# KiCad board led_mapper_850.kicad_pcb (continued)
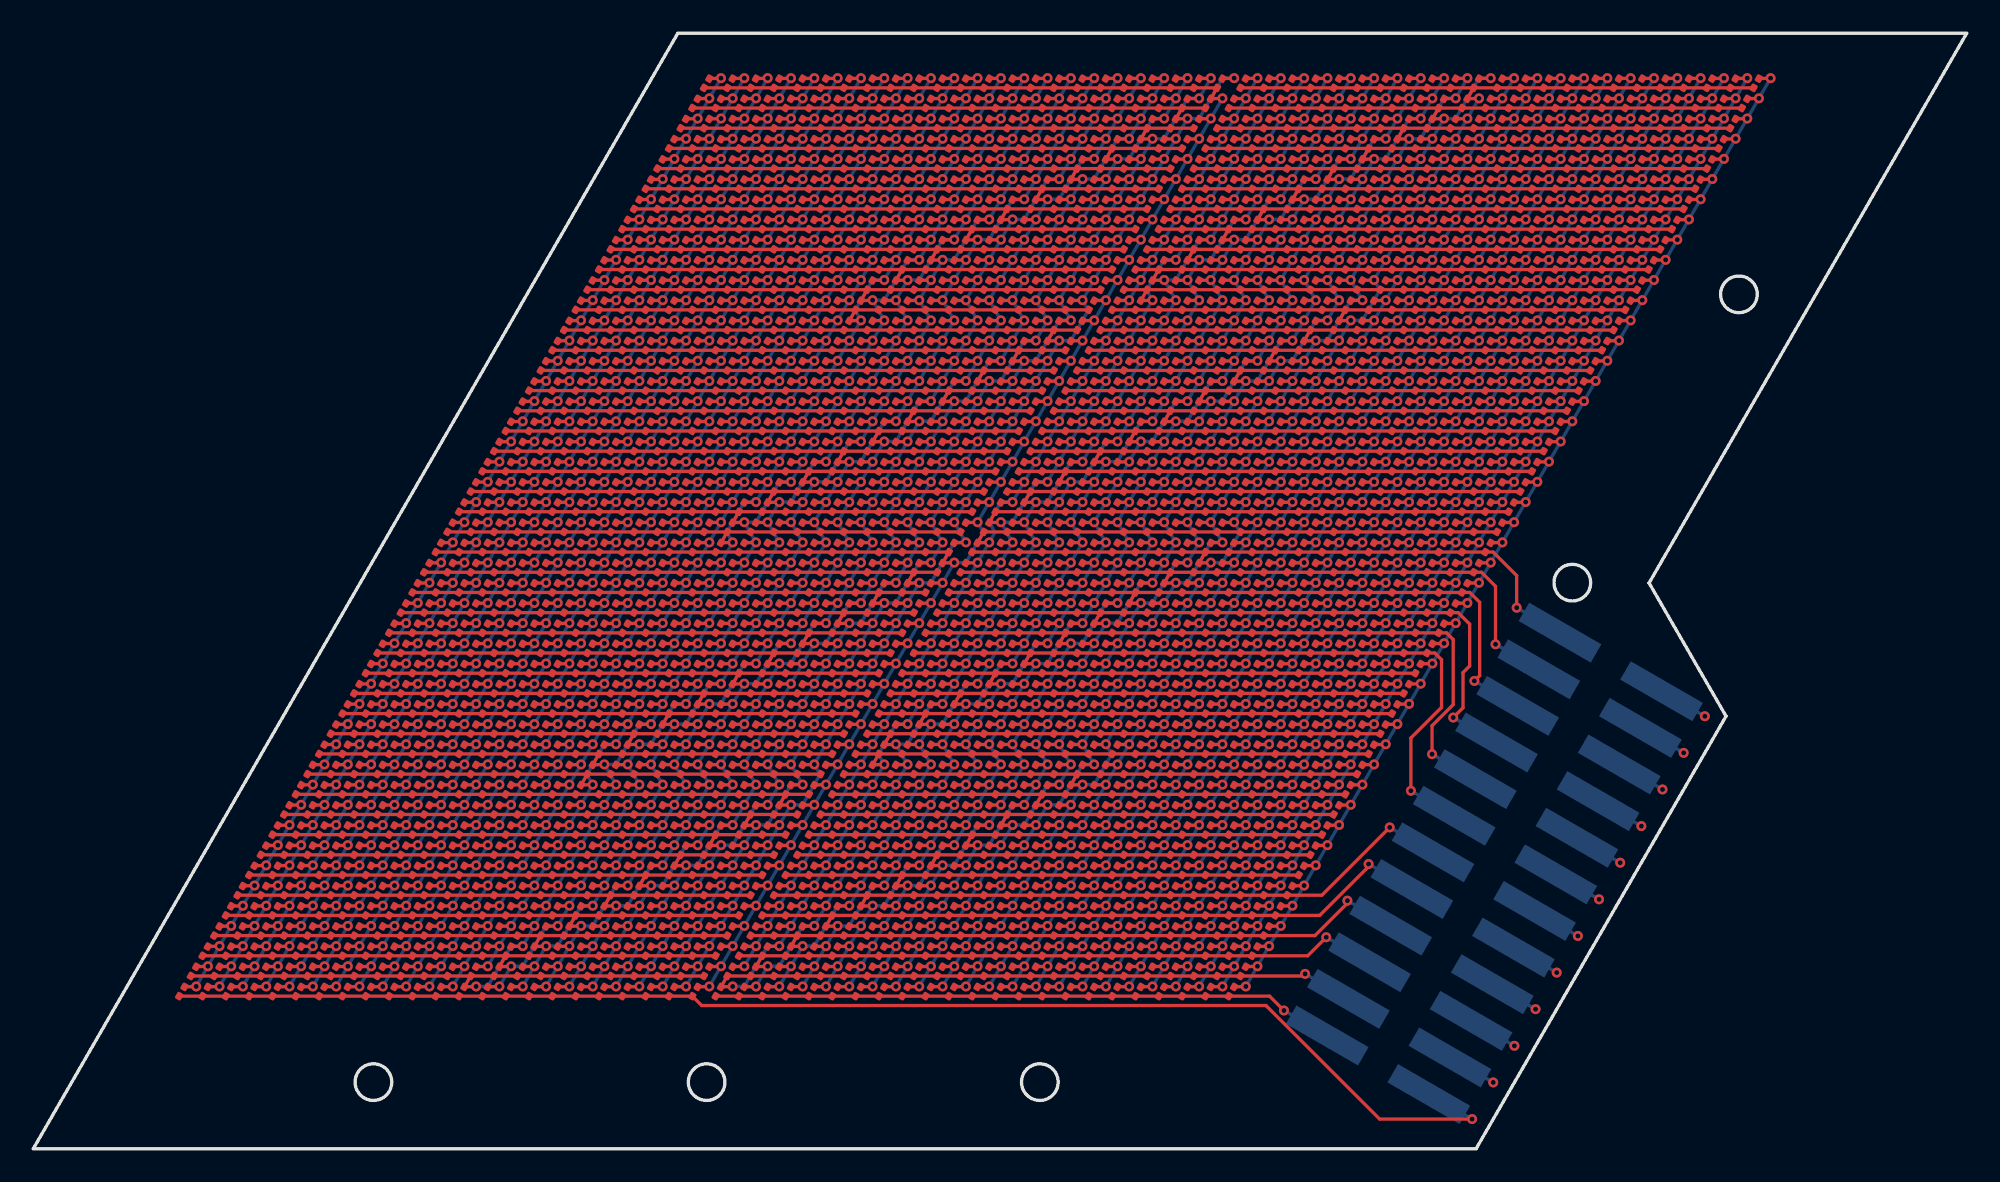
[diagram p0: board, top side]
## Placement (name value [footprint] x y rotation side) (continued)
D1572  LED  [LED_0201_0603Metric_XINGLIGHT]  26.41 22.78 60 top
D1573  LED  [LED_0201_0603Metric_XINGLIGHT]  27.81 22.78 60 top
D1574  LED  [LED_0201_0603Metric_XINGLIGHT]  29.21 22.78 60 top
D1575  LED  [LED_0201_0603Metric_XINGLIGHT]  30.61 22.78 60 top
D1576  LED  [LED_0201_0603Metric_XINGLIGHT]  32.01 22.78 60 top
D1577  LED  [LED_0201_0603Metric_XINGLIGHT]  33.41 22.78 60 top
D1578  LED  [LED_0201_0603Metric_XINGLIGHT]  34.81 22.78 60 top
D1579  LED  [LED_0201_0603Metric_XINGLIGHT]  36.21 22.78 60 top
D1580  LED  [LED_0201_0603Metric_XINGLIGHT]  37.61 22.78 60 top
D1581  LED  [LED_0201_0603Metric_XINGLIGHT]  39.01 22.78 60 top
D1582  LED  [LED_0201_0603Metric_XINGLIGHT]  40.41 22.78 60 top
D1583  LED  [LED_0201_0603Metric_XINGLIGHT]  41.81 22.78 60 top
D1584  LED  [LED_0201_0603Metric_XINGLIGHT]  43.21 22.78 60 top
D1585  LED  [LED_0201_0603Metric_XINGLIGHT]  44.61 22.78 60 top
D1586  LED  [LED_0201_0603Metric_XINGLIGHT]  46.01 22.78 60 top
D1587  LED  [LED_0201_0603Metric_XINGLIGHT]  47.41 22.78 60 top
D1588  LED  [LED_0201_0603Metric_XINGLIGHT]  71.91 9.44 60 top
D1589  LED  [LED_0201_0603Metric_XINGLIGHT]  70.51 9.44 60 top
D1590  LED  [LED_0201_0603Metric_XINGLIGHT]  69.11 9.44 60 top
D1591  LED  [LED_0201_0603Metric_XINGLIGHT]  67.71 9.44 60 top
D1592  LED  [LED_0201_0603Metric_XINGLIGHT]  66.31 9.44 60 top
D1593  LED  [LED_0201_0603Metric_XINGLIGHT]  64.91 9.44 60 top
D1594  LED  [LED_0201_0603Metric_XINGLIGHT]  63.51 9.44 60 top
D1595  LED  [LED_0201_0603Metric_XINGLIGHT]  62.11 9.44 60 top
D1596  LED  [LED_0201_0603Metric_XINGLIGHT]  60.71 9.44 60 top
D1597  LED  [LED_0201_0603Metric_XINGLIGHT]  59.31 9.44 60 top
D1598  LED  [LED_0201_0603Metric_XINGLIGHT]  57.91 9.44 60 top
D1599  LED  [LED_0201_0603Metric_XINGLIGHT]  56.51 9.44 60 top
D1600  LED  [LED_0201_0603Metric_XINGLIGHT]  55.11 9.44 60 top
D1601  LED  [LED_0201_0603Metric_XINGLIGHT]  53.71 9.44 60 top
D1602  LED  [LED_0201_0603Metric_XINGLIGHT]  52.31 9.44 60 top
D1603  LED  [LED_0201_0603Metric_XINGLIGHT]  50.91 9.44 60 top
D1604  LED  [LED_0201_0603Metric_XINGLIGHT]  49.51 9.44 60 top
D1605  LED  [LED_0201_0603Metric_XINGLIGHT]  48.11 9.44 60 top
D1606  LED  [LED_0201_0603Metric_XINGLIGHT]  46.71 9.44 60 top
D1607  LED  [LED_0201_0603Metric_XINGLIGHT]  45.31 9.44 60 top
D1608  LED  [LED_0201_0603Metric_XINGLIGHT]  43.91 9.44 60 top
D1609  LED  [LED_0201_0603Metric_XINGLIGHT]  42.51 9.44 60 top
D1610  LED  [LED_0201_0603Metric_XINGLIGHT]  41.11 9.44 60 top
D1611  LED  [LED_0201_0603Metric_XINGLIGHT]  39.71 9.44 60 top
D1612  LED  [LED_0201_0603Metric_XINGLIGHT]  38.31 9.44 60 top
D1613  LED  [LED_0201_0603Metric_XINGLIGHT]  36.91 9.44 60 top
D1614  LED  [LED_0201_0603Metric_XINGLIGHT]  35.51 9.44 60 top
D1615  LED  [LED_0201_0603Metric_XINGLIGHT]  34.11 9.44 60 top
D1616  LED  [LED_0201_0603Metric_XINGLIGHT]  32.71 9.44 60 top
D1617  LED  [LED_0201_0603Metric_XINGLIGHT]  31.31 9.44 60 top
D1618  LED  [LED_0201_0603Metric_XINGLIGHT]  29.91 9.44 60 top
D1619  LED  [LED_0201_0603Metric_XINGLIGHT]  28.51 9.44 60 top
D1620  LED  [LED_0201_0603Metric_XINGLIGHT]  27.11 9.44 60 top
D1621  LED  [LED_0201_0603Metric_XINGLIGHT]  25.71 9.44 60 top
D1622  LED  [LED_0201_0603Metric_XINGLIGHT]  24.31 9.44 60 top
D1623  LED  [LED_0201_0603Metric_XINGLIGHT]  22.91 9.44 60 top
D1624  LED  [LED_0201_0603Metric_XINGLIGHT]  21.51 9.44 60 top
D1625  LED  [LED_0201_0603Metric_XINGLIGHT]  20.11 9.44 60 top
D1626  LED  [LED_0201_0603Metric_XINGLIGHT]  18.71 9.44 60 top
D1627  LED  [LED_0201_0603Metric_XINGLIGHT]  17.31 9.44 60 top
D1628  LED  [LED_0201_0603Metric_XINGLIGHT]  15.91 9.44 60 top
D1629  LED  [LED_0201_0603Metric_XINGLIGHT]  14.51 9.44 60 top
D1630  LED  [LED_0201_0603Metric_XINGLIGHT]  13.11 9.44 60 top
D1631  LED  [LED_0201_0603Metric_XINGLIGHT]  11.71 9.44 60 top
D1632  LED  [LED_0201_0603Metric_XINGLIGHT]  10.31 9.44 60 top
D1633  LED  [LED_0201_0603Metric_XINGLIGHT]  8.91 9.44 60 top
D1634  LED  [LED_0201_0603Metric_XINGLIGHT]  72.61 10.65 60 top
D1635  LED  [LED_0201_0603Metric_XINGLIGHT]  71.21 10.65 60 top
D1636  LED  [LED_0201_0603Metric_XINGLIGHT]  69.81 10.65 60 top
D1637  LED  [LED_0201_0603Metric_XINGLIGHT]  68.41 10.65 60 top
D1638  LED  [LED_0201_0603Metric_XINGLIGHT]  67.01 10.65 60 top
D1639  LED  [LED_0201_0603Metric_XINGLIGHT]  65.61 10.65 60 top
D1640  LED  [LED_0201_0603Metric_XINGLIGHT]  64.21 10.65 60 top
D1641  LED  [LED_0201_0603Metric_XINGLIGHT]  62.81 10.65 60 top
D1642  LED  [LED_0201_0603Metric_XINGLIGHT]  61.41 10.65 60 top
D1643  LED  [LED_0201_0603Metric_XINGLIGHT]  60.01 10.65 60 top
D1644  LED  [LED_0201_0603Metric_XINGLIGHT]  58.61 10.65 60 top
D1645  LED  [LED_0201_0603Metric_XINGLIGHT]  57.21 10.65 60 top
D1646  LED  [LED_0201_0603Metric_XINGLIGHT]  55.81 10.65 60 top
D1647  LED  [LED_0201_0603Metric_XINGLIGHT]  54.41 10.65 60 top
D1648  LED  [LED_0201_0603Metric_XINGLIGHT]  53.01 10.65 60 top
D1649  LED  [LED_0201_0603Metric_XINGLIGHT]  51.61 10.65 60 top
D1650  LED  [LED_0201_0603Metric_XINGLIGHT]  50.21 10.65 60 top
D1651  LED  [LED_0201_0603Metric_XINGLIGHT]  48.81 10.65 60 top
D1652  LED  [LED_0201_0603Metric_XINGLIGHT]  47.41 10.65 60 top
D1653  LED  [LED_0201_0603Metric_XINGLIGHT]  46.01 10.65 60 top
D1654  LED  [LED_0201_0603Metric_XINGLIGHT]  44.61 10.65 60 top
D1655  LED  [LED_0201_0603Metric_XINGLIGHT]  43.21 10.65 60 top
D1656  LED  [LED_0201_0603Metric_XINGLIGHT]  41.81 10.65 60 top
D1657  LED  [LED_0201_0603Metric_XINGLIGHT]  40.41 10.65 60 top
D1658  LED  [LED_0201_0603Metric_XINGLIGHT]  39.01 10.65 60 top
D1659  LED  [LED_0201_0603Metric_XINGLIGHT]  37.61 10.65 60 top
D1660  LED  [LED_0201_0603Metric_XINGLIGHT]  36.21 10.65 60 top
D1661  LED  [LED_0201_0603Metric_XINGLIGHT]  34.81 10.65 60 top
D1662  LED  [LED_0201_0603Metric_XINGLIGHT]  33.41 10.65 60 top
D1663  LED  [LED_0201_0603Metric_XINGLIGHT]  32.01 10.65 60 top
D1664  LED  [LED_0201_0603Metric_XINGLIGHT]  30.61 10.65 60 top
D1665  LED  [LED_0201_0603Metric_XINGLIGHT]  29.21 10.65 60 top
D1666  LED  [LED_0201_0603Metric_XINGLIGHT]  27.81 10.65 60 top
D1667  LED  [LED_0201_0603Metric_XINGLIGHT]  26.41 10.65 60 top
D1668  LED  [LED_0201_0603Metric_XINGLIGHT]  25.01 10.65 60 top
D1669  LED  [LED_0201_0603Metric_XINGLIGHT]  23.61 10.65 60 top
D1670  LED  [LED_0201_0603Metric_XINGLIGHT]  22.21 10.65 60 top
D1671  LED  [LED_0201_0603Metric_XINGLIGHT]  20.81 10.65 60 top
D1672  LED  [LED_0201_0603Metric_XINGLIGHT]  19.41 10.65 60 top
D1673  LED  [LED_0201_0603Metric_XINGLIGHT]  18.01 10.65 60 top
D1674  LED  [LED_0201_0603Metric_XINGLIGHT]  16.61 10.65 60 top
D1675  LED  [LED_0201_0603Metric_XINGLIGHT]  15.21 10.65 60 top
D1676  LED  [LED_0201_0603Metric_XINGLIGHT]  13.81 10.65 60 top
D1677  LED  [LED_0201_0603Metric_XINGLIGHT]  12.41 10.65 60 top
D1678  LED  [LED_0201_0603Metric_XINGLIGHT]  11.01 10.65 60 top
D1679  LED  [LED_0201_0603Metric_XINGLIGHT]  9.61 10.65 60 top
D1680  LED  [LED_0201_0603Metric_XINGLIGHT]  73.31 11.87 60 top
D1681  LED  [LED_0201_0603Metric_XINGLIGHT]  71.91 11.87 60 top
D1682  LED  [LED_0201_0603Metric_XINGLIGHT]  70.51 11.87 60 top
D1683  LED  [LED_0201_0603Metric_XINGLIGHT]  69.11 11.87 60 top
D1684  LED  [LED_0201_0603Metric_XINGLIGHT]  67.71 11.87 60 top
D1685  LED  [LED_0201_0603Metric_XINGLIGHT]  66.31 11.87 60 top
D1686  LED  [LED_0201_0603Metric_XINGLIGHT]  64.91 11.87 60 top
D1687  LED  [LED_0201_0603Metric_XINGLIGHT]  63.51 11.87 60 top
D1688  LED  [LED_0201_0603Metric_XINGLIGHT]  62.11 11.87 60 top
D1689  LED  [LED_0201_0603Metric_XINGLIGHT]  60.71 11.87 60 top
D1690  LED  [LED_0201_0603Metric_XINGLIGHT]  59.31 11.87 60 top
D1691  LED  [LED_0201_0603Metric_XINGLIGHT]  57.91 11.87 60 top
D1692  LED  [LED_0201_0603Metric_XINGLIGHT]  56.51 11.87 60 top
D1693  LED  [LED_0201_0603Metric_XINGLIGHT]  55.11 11.87 60 top
D1694  LED  [LED_0201_0603Metric_XINGLIGHT]  53.71 11.87 60 top
D1695  LED  [LED_0201_0603Metric_XINGLIGHT]  52.31 11.87 60 top
D1696  LED  [LED_0201_0603Metric_XINGLIGHT]  50.91 11.87 60 top
D1697  LED  [LED_0201_0603Metric_XINGLIGHT]  49.51 11.87 60 top
D1698  LED  [LED_0201_0603Metric_XINGLIGHT]  48.11 11.87 60 top
D1699  LED  [LED_0201_0603Metric_XINGLIGHT]  46.71 11.87 60 top
D1700  LED  [LED_0201_0603Metric_XINGLIGHT]  45.31 11.87 60 top
D1701  LED  [LED_0201_0603Metric_XINGLIGHT]  43.91 11.87 60 top
D1702  LED  [LED_0201_0603Metric_XINGLIGHT]  42.51 11.87 60 top
D1703  LED  [LED_0201_0603Metric_XINGLIGHT]  41.11 11.87 60 top
D1704  LED  [LED_0201_0603Metric_XINGLIGHT]  39.71 11.87 60 top
D1705  LED  [LED_0201_0603Metric_XINGLIGHT]  38.31 11.87 60 top
D1706  LED  [LED_0201_0603Metric_XINGLIGHT]  36.91 11.87 60 top
D1707  LED  [LED_0201_0603Metric_XINGLIGHT]  35.51 11.87 60 top
D1708  LED  [LED_0201_0603Metric_XINGLIGHT]  34.11 11.87 60 top
D1709  LED  [LED_0201_0603Metric_XINGLIGHT]  32.71 11.87 60 top
D1710  LED  [LED_0201_0603Metric_XINGLIGHT]  31.31 11.87 60 top
D1711  LED  [LED_0201_0603Metric_XINGLIGHT]  29.91 11.87 60 top
D1712  LED  [LED_0201_0603Metric_XINGLIGHT]  28.51 11.87 60 top
D1713  LED  [LED_0201_0603Metric_XINGLIGHT]  27.11 11.87 60 top
D1714  LED  [LED_0201_0603Metric_XINGLIGHT]  25.71 11.87 60 top
D1715  LED  [LED_0201_0603Metric_XINGLIGHT]  24.31 11.87 60 top
D1716  LED  [LED_0201_0603Metric_XINGLIGHT]  22.91 11.87 60 top
D1717  LED  [LED_0201_0603Metric_XINGLIGHT]  21.51 11.87 60 top
D1718  LED  [LED_0201_0603Metric_XINGLIGHT]  20.11 11.87 60 top
D1719  LED  [LED_0201_0603Metric_XINGLIGHT]  18.71 11.87 60 top
D1720  LED  [LED_0201_0603Metric_XINGLIGHT]  17.31 11.87 60 top
D1721  LED  [LED_0201_0603Metric_XINGLIGHT]  15.91 11.87 60 top
D1722  LED  [LED_0201_0603Metric_XINGLIGHT]  14.51 11.87 60 top
D1723  LED  [LED_0201_0603Metric_XINGLIGHT]  13.11 11.87 60 top
D1724  LED  [LED_0201_0603Metric_XINGLIGHT]  11.71 11.87 60 top
D1725  LED  [LED_0201_0603Metric_XINGLIGHT]  10.31 11.87 60 top
D1726  LED  [LED_0201_0603Metric_XINGLIGHT]  74.01 13.08 60 top
D1727  LED  [LED_0201_0603Metric_XINGLIGHT]  72.61 13.08 60 top
D1728  LED  [LED_0201_0603Metric_XINGLIGHT]  71.21 13.08 60 top
D1729  LED  [LED_0201_0603Metric_XINGLIGHT]  69.81 13.08 60 top
D1730  LED  [LED_0201_0603Metric_XINGLIGHT]  68.41 13.08 60 top
D1731  LED  [LED_0201_0603Metric_XINGLIGHT]  67.01 13.08 60 top
D1732  LED  [LED_0201_0603Metric_XINGLIGHT]  65.61 13.08 60 top
D1733  LED  [LED_0201_0603Metric_XINGLIGHT]  64.21 13.08 60 top
D1734  LED  [LED_0201_0603Metric_XINGLIGHT]  62.81 13.08 60 top
D1735  LED  [LED_0201_0603Metric_XINGLIGHT]  61.41 13.08 60 top
D1736  LED  [LED_0201_0603Metric_XINGLIGHT]  60.01 13.08 60 top
D1737  LED  [LED_0201_0603Metric_XINGLIGHT]  58.61 13.08 60 top
D1738  LED  [LED_0201_0603Metric_XINGLIGHT]  57.21 13.08 60 top
D1739  LED  [LED_0201_0603Metric_XINGLIGHT]  55.81 13.08 60 top
D1740  LED  [LED_0201_0603Metric_XINGLIGHT]  54.41 13.08 60 top
D1741  LED  [LED_0201_0603Metric_XINGLIGHT]  53.01 13.08 60 top
D1742  LED  [LED_0201_0603Metric_XINGLIGHT]  51.61 13.08 60 top
D1743  LED  [LED_0201_0603Metric_XINGLIGHT]  50.21 13.08 60 top
D1744  LED  [LED_0201_0603Metric_XINGLIGHT]  48.81 13.08 60 top
D1745  LED  [LED_0201_0603Metric_XINGLIGHT]  47.41 13.08 60 top
D1746  LED  [LED_0201_0603Metric_XINGLIGHT]  46.01 13.08 60 top
D1747  LED  [LED_0201_0603Metric_XINGLIGHT]  44.61 13.08 60 top
D1748  LED  [LED_0201_0603Metric_XINGLIGHT]  43.21 13.08 60 top
D1749  LED  [LED_0201_0603Metric_XINGLIGHT]  41.81 13.08 60 top
D1750  LED  [LED_0201_0603Metric_XINGLIGHT]  40.41 13.08 60 top
D1751  LED  [LED_0201_0603Metric_XINGLIGHT]  39.01 13.08 60 top
D1752  LED  [LED_0201_0603Metric_XINGLIGHT]  37.61 13.08 60 top
D1753  LED  [LED_0201_0603Metric_XINGLIGHT]  36.21 13.08 60 top
D1754  LED  [LED_0201_0603Metric_XINGLIGHT]  34.81 13.08 60 top
D1755  LED  [LED_0201_0603Metric_XINGLIGHT]  33.41 13.08 60 top
D1756  LED  [LED_0201_0603Metric_XINGLIGHT]  32.01 13.08 60 top
D1757  LED  [LED_0201_0603Metric_XINGLIGHT]  30.61 13.08 60 top
D1758  LED  [LED_0201_0603Metric_XINGLIGHT]  29.21 13.08 60 top
D1759  LED  [LED_0201_0603Metric_XINGLIGHT]  27.81 13.08 60 top
D1760  LED  [LED_0201_0603Metric_XINGLIGHT]  26.41 13.08 60 top
D1761  LED  [LED_0201_0603Metric_XINGLIGHT]  25.01 13.08 60 top
D1762  LED  [LED_0201_0603Metric_XINGLIGHT]  23.61 13.08 60 top
D1763  LED  [LED_0201_0603Metric_XINGLIGHT]  22.21 13.08 60 top
D1764  LED  [LED_0201_0603Metric_XINGLIGHT]  20.81 13.08 60 top
D1765  LED  [LED_0201_0603Metric_XINGLIGHT]  19.41 13.08 60 top
D1766  LED  [LED_0201_0603Metric_XINGLIGHT]  18.01 13.08 60 top
D1767  LED  [LED_0201_0603Metric_XINGLIGHT]  16.61 13.08 60 top
D1768  LED  [LED_0201_0603Metric_XINGLIGHT]  15.21 13.08 60 top
D1769  LED  [LED_0201_0603Metric_XINGLIGHT]  13.81 13.08 60 top
D1770  LED  [LED_0201_0603Metric_XINGLIGHT]  12.41 13.08 60 top
D1771  LED  [LED_0201_0603Metric_XINGLIGHT]  11.01 13.08 60 top
D1772  LED  [LED_0201_0603Metric_XINGLIGHT]  74.71 14.29 60 top
D1773  LED  [LED_0201_0603Metric_XINGLIGHT]  73.31 14.29 60 top
D1774  LED  [LED_0201_0603Metric_XINGLIGHT]  71.91 14.29 60 top
D1775  LED  [LED_0201_0603Metric_XINGLIGHT]  70.51 14.29 60 top
D1776  LED  [LED_0201_0603Metric_XINGLIGHT]  69.11 14.29 60 top
D1777  LED  [LED_0201_0603Metric_XINGLIGHT]  67.71 14.29 60 top
D1778  LED  [LED_0201_0603Metric_XINGLIGHT]  66.31 14.29 60 top
D1779  LED  [LED_0201_0603Metric_XINGLIGHT]  64.91 14.29 60 top
D1780  LED  [LED_0201_0603Metric_XINGLIGHT]  63.51 14.29 60 top
D1781  LED  [LED_0201_0603Metric_XINGLIGHT]  62.11 14.29 60 top
D1782  LED  [LED_0201_0603Metric_XINGLIGHT]  60.71 14.29 60 top
D1783  LED  [LED_0201_0603Metric_XINGLIGHT]  59.31 14.29 60 top
D1784  LED  [LED_0201_0603Metric_XINGLIGHT]  57.91 14.29 60 top
D1785  LED  [LED_0201_0603Metric_XINGLIGHT]  56.51 14.29 60 top
D1786  LED  [LED_0201_0603Metric_XINGLIGHT]  55.11 14.29 60 top
D1787  LED  [LED_0201_0603Metric_XINGLIGHT]  53.71 14.29 60 top
D1788  LED  [LED_0201_0603Metric_XINGLIGHT]  52.31 14.29 60 top
D1789  LED  [LED_0201_0603Metric_XINGLIGHT]  50.91 14.29 60 top
D1790  LED  [LED_0201_0603Metric_XINGLIGHT]  49.51 14.29 60 top
D1791  LED  [LED_0201_0603Metric_XINGLIGHT]  48.11 14.29 60 top
D1792  LED  [LED_0201_0603Metric_XINGLIGHT]  46.71 14.29 60 top
D1793  LED  [LED_0201_0603Metric_XINGLIGHT]  45.31 14.29 60 top
D1794  LED  [LED_0201_0603Metric_XINGLIGHT]  43.91 14.29 60 top
D1795  LED  [LED_0201_0603Metric_XINGLIGHT]  42.51 14.29 60 top
D1796  LED  [LED_0201_0603Metric_XINGLIGHT]  41.11 14.29 60 top
D1797  LED  [LED_0201_0603Metric_XINGLIGHT]  39.71 14.29 60 top
D1798  LED  [LED_0201_0603Metric_XINGLIGHT]  38.31 14.29 60 top
D1799  LED  [LED_0201_0603Metric_XINGLIGHT]  36.91 14.29 60 top
D1800  LED  [LED_0201_0603Metric_XINGLIGHT]  35.51 14.29 60 top
D1801  LED  [LED_0201_0603Metric_XINGLIGHT]  34.11 14.29 60 top
D1802  LED  [LED_0201_0603Metric_XINGLIGHT]  32.71 14.29 60 top
D1803  LED  [LED_0201_0603Metric_XINGLIGHT]  31.31 14.29 60 top
D1804  LED  [LED_0201_0603Metric_XINGLIGHT]  29.91 14.29 60 top
D1805  LED  [LED_0201_0603Metric_XINGLIGHT]  28.51 14.29 60 top
D1806  LED  [LED_0201_0603Metric_XINGLIGHT]  27.11 14.29 60 top
D1807  LED  [LED_0201_0603Metric_XINGLIGHT]  25.71 14.29 60 top
D1808  LED  [LED_0201_0603Metric_XINGLIGHT]  24.31 14.29 60 top
D1809  LED  [LED_0201_0603Metric_XINGLIGHT]  22.91 14.29 60 top
D1810  LED  [LED_0201_0603Metric_XINGLIGHT]  21.51 14.29 60 top
D1811  LED  [LED_0201_0603Metric_XINGLIGHT]  20.11 14.29 60 top
D1812  LED  [LED_0201_0603Metric_XINGLIGHT]  18.71 14.29 60 top
D1813  LED  [LED_0201_0603Metric_XINGLIGHT]  17.31 14.29 60 top
D1814  LED  [LED_0201_0603Metric_XINGLIGHT]  15.91 14.29 60 top
D1815  LED  [LED_0201_0603Metric_XINGLIGHT]  14.51 14.29 60 top
D1816  LED  [LED_0201_0603Metric_XINGLIGHT]  13.11 14.29 60 top
D1817  LED  [LED_0201_0603Metric_XINGLIGHT]  11.71 14.29 60 top
D1818  LED  [LED_0201_0603Metric_XINGLIGHT]  75.41 15.5 60 top
D1819  LED  [LED_0201_0603Metric_XINGLIGHT]  74.01 15.5 60 top
D1820  LED  [LED_0201_0603Metric_XINGLIGHT]  72.61 15.5 60 top
D1821  LED  [LED_0201_0603Metric_XINGLIGHT]  71.21 15.5 60 top
D1822  LED  [LED_0201_0603Metric_XINGLIGHT]  69.81 15.5 60 top
D1823  LED  [LED_0201_0603Metric_XINGLIGHT]  68.41 15.5 60 top
D1824  LED  [LED_0201_0603Metric_XINGLIGHT]  67.01 15.5 60 top
D1825  LED  [LED_0201_0603Metric_XINGLIGHT]  65.61 15.5 60 top
D1826  LED  [LED_0201_0603Metric_XINGLIGHT]  64.21 15.5 60 top
D1827  LED  [LED_0201_0603Metric_XINGLIGHT]  62.81 15.5 60 top
D1828  LED  [LED_0201_0603Metric_XINGLIGHT]  61.41 15.5 60 top
D1829  LED  [LED_0201_0603Metric_XINGLIGHT]  60.01 15.5 60 top
D1830  LED  [LED_0201_0603Metric_XINGLIGHT]  58.61 15.5 60 top
D1831  LED  [LED_0201_0603Metric_XINGLIGHT]  57.21 15.5 60 top
D1832  LED  [LED_0201_0603Metric_XINGLIGHT]  55.81 15.5 60 top
D1833  LED  [LED_0201_0603Metric_XINGLIGHT]  54.41 15.5 60 top
D1834  LED  [LED_0201_0603Metric_XINGLIGHT]  53.01 15.5 60 top
D1835  LED  [LED_0201_0603Metric_XINGLIGHT]  51.61 15.5 60 top
D1836  LED  [LED_0201_0603Metric_XINGLIGHT]  50.21 15.5 60 top
D1837  LED  [LED_0201_0603Metric_XINGLIGHT]  48.81 15.5 60 top
D1838  LED  [LED_0201_0603Metric_XINGLIGHT]  47.41 15.5 60 top
D1839  LED  [LED_0201_0603Metric_XINGLIGHT]  46.01 15.5 60 top
D1840  LED  [LED_0201_0603Metric_XINGLIGHT]  44.61 15.5 60 top
D1841  LED  [LED_0201_0603Metric_XINGLIGHT]  43.21 15.5 60 top
D1842  LED  [LED_0201_0603Metric_XINGLIGHT]  41.81 15.5 60 top
D1843  LED  [LED_0201_0603Metric_XINGLIGHT]  40.41 15.5 60 top
D1844  LED  [LED_0201_0603Metric_XINGLIGHT]  39.01 15.5 60 top
D1845  LED  [LED_0201_0603Metric_XINGLIGHT]  37.61 15.5 60 top
D1846  LED  [LED_0201_0603Metric_XINGLIGHT]  36.21 15.5 60 top
D1847  LED  [LED_0201_0603Metric_XINGLIGHT]  34.81 15.5 60 top
D1848  LED  [LED_0201_0603Metric_XINGLIGHT]  33.41 15.5 60 top
D1849  LED  [LED_0201_0603Metric_XINGLIGHT]  32.01 15.5 60 top
D1850  LED  [LED_0201_0603Metric_XINGLIGHT]  30.61 15.5 60 top
D1851  LED  [LED_0201_0603Metric_XINGLIGHT]  29.21 15.5 60 top
D1852  LED  [LED_0201_0603Metric_XINGLIGHT]  27.81 15.5 60 top
D1853  LED  [LED_0201_0603Metric_XINGLIGHT]  26.41 15.5 60 top
D1854  LED  [LED_0201_0603Metric_XINGLIGHT]  25.01 15.5 60 top
D1855  LED  [LED_0201_0603Metric_XINGLIGHT]  23.61 15.5 60 top
D1856  LED  [LED_0201_0603Metric_XINGLIGHT]  22.21 15.5 60 top
D1857  LED  [LED_0201_0603Metric_XINGLIGHT]  20.81 15.5 60 top
D1858  LED  [LED_0201_0603Metric_XINGLIGHT]  19.41 15.5 60 top
D1859  LED  [LED_0201_0603Metric_XINGLIGHT]  18.01 15.5 60 top
D1860  LED  [LED_0201_0603Metric_XINGLIGHT]  16.61 15.5 60 top
D1861  LED  [LED_0201_0603Metric_XINGLIGHT]  15.21 15.5 60 top
D1862  LED  [LED_0201_0603Metric_XINGLIGHT]  13.81 15.5 60 top
D1863  LED  [LED_0201_0603Metric_XINGLIGHT]  12.41 15.5 60 top
D1864  LED  [LED_0201_0603Metric_XINGLIGHT]  76.11 16.72 60 top
D1865  LED  [LED_0201_0603Metric_XINGLIGHT]  74.71 16.72 60 top
D1866  LED  [LED_0201_0603Metric_XINGLIGHT]  73.31 16.72 60 top
D1867  LED  [LED_0201_0603Metric_XINGLIGHT]  71.91 16.72 60 top
D1868  LED  [LED_0201_0603Metric_XINGLIGHT]  70.51 16.72 60 top
D1869  LED  [LED_0201_0603Metric_XINGLIGHT]  69.11 16.72 60 top
D1870  LED  [LED_0201_0603Metric_XINGLIGHT]  67.71 16.72 60 top
D1871  LED  [LED_0201_0603Metric_XINGLIGHT]  66.31 16.72 60 top
D1872  LED  [LED_0201_0603Metric_XINGLIGHT]  64.91 16.72 60 top
D1873  LED  [LED_0201_0603Metric_XINGLIGHT]  63.51 16.72 60 top
D1874  LED  [LED_0201_0603Metric_XINGLIGHT]  62.11 16.72 60 top
D1875  LED  [LED_0201_0603Metric_XINGLIGHT]  60.71 16.72 60 top
D1876  LED  [LED_0201_0603Metric_XINGLIGHT]  59.31 16.72 60 top
D1877  LED  [LED_0201_0603Metric_XINGLIGHT]  57.91 16.72 60 top
D1878  LED  [LED_0201_0603Metric_XINGLIGHT]  56.51 16.72 60 top
D1879  LED  [LED_0201_0603Metric_XINGLIGHT]  55.11 16.72 60 top
D1880  LED  [LED_0201_0603Metric_XINGLIGHT]  53.71 16.72 60 top
D1881  LED  [LED_0201_0603Metric_XINGLIGHT]  52.31 16.72 60 top
D1882  LED  [LED_0201_0603Metric_XINGLIGHT]  50.91 16.72 60 top
D1883  LED  [LED_0201_0603Metric_XINGLIGHT]  49.51 16.72 60 top
D1884  LED  [LED_0201_0603Metric_XINGLIGHT]  48.11 16.72 60 top
D1885  LED  [LED_0201_0603Metric_XINGLIGHT]  46.71 16.72 60 top
D1886  LED  [LED_0201_0603Metric_XINGLIGHT]  45.31 16.72 60 top
D1887  LED  [LED_0201_0603Metric_XINGLIGHT]  43.91 16.72 60 top
D1888  LED  [LED_0201_0603Metric_XINGLIGHT]  42.51 16.72 60 top
D1889  LED  [LED_0201_0603Metric_XINGLIGHT]  41.11 16.72 60 top
D1890  LED  [LED_0201_0603Metric_XINGLIGHT]  39.71 16.72 60 top
D1891  LED  [LED_0201_0603Metric_XINGLIGHT]  38.31 16.72 60 top
D1892  LED  [LED_0201_0603Metric_XINGLIGHT]  36.91 16.72 60 top
D1893  LED  [LED_0201_0603Metric_XINGLIGHT]  35.51 16.72 60 top
D1894  LED  [LED_0201_0603Metric_XINGLIGHT]  34.11 16.72 60 top
D1895  LED  [LED_0201_0603Metric_XINGLIGHT]  32.71 16.72 60 top
D1896  LED  [LED_0201_0603Metric_XINGLIGHT]  31.31 16.72 60 top
D1897  LED  [LED_0201_0603Metric_XINGLIGHT]  29.91 16.72 60 top
D1898  LED  [LED_0201_0603Metric_XINGLIGHT]  28.51 16.72 60 top
D1899  LED  [LED_0201_0603Metric_XINGLIGHT]  27.11 16.72 60 top
D1900  LED  [LED_0201_0603Metric_XINGLIGHT]  25.71 16.72 60 top
D1901  LED  [LED_0201_0603Metric_XINGLIGHT]  24.31 16.72 60 top
D1902  LED  [LED_0201_0603Metric_XINGLIGHT]  22.91 16.72 60 top
D1903  LED  [LED_0201_0603Metric_XINGLIGHT]  21.51 16.72 60 top
D1904  LED  [LED_0201_0603Metric_XINGLIGHT]  20.11 16.72 60 top
D1905  LED  [LED_0201_0603Metric_XINGLIGHT]  18.71 16.72 60 top
D1906  LED  [LED_0201_0603Metric_XINGLIGHT]  17.31 16.72 60 top
D1907  LED  [LED_0201_0603Metric_XINGLIGHT]  15.91 16.72 60 top
D1908  LED  [LED_0201_0603Metric_XINGLIGHT]  14.51 16.72 60 top
D1909  LED  [LED_0201_0603Metric_XINGLIGHT]  13.11 16.72 60 top
D1910  LED  [LED_0201_0603Metric_XINGLIGHT]  76.81 17.93 60 top
D1911  LED  [LED_0201_0603Metric_XINGLIGHT]  75.41 17.93 60 top
D1912  LED  [LED_0201_0603Metric_XINGLIGHT]  74.01 17.93 60 top
D1913  LED  [LED_0201_0603Metric_XINGLIGHT]  72.61 17.93 60 top
D1914  LED  [LED_0201_0603Metric_XINGLIGHT]  71.21 17.93 60 top
D1915  LED  [LED_0201_0603Metric_XINGLIGHT]  69.81 17.93 60 top
D1916  LED  [LED_0201_0603Metric_XINGLIGHT]  68.41 17.93 60 top
D1917  LED  [LED_0201_0603Metric_XINGLIGHT]  67.01 17.93 60 top
D1918  LED  [LED_0201_0603Metric_XINGLIGHT]  65.61 17.93 60 top
D1919  LED  [LED_0201_0603Metric_XINGLIGHT]  64.21 17.93 60 top
D1920  LED  [LED_0201_0603Metric_XINGLIGHT]  62.81 17.93 60 top
D1921  LED  [LED_0201_0603Metric_XINGLIGHT]  61.41 17.93 60 top
D1922  LED  [LED_0201_0603Metric_XINGLIGHT]  60.01 17.93 60 top
D1923  LED  [LED_0201_0603Metric_XINGLIGHT]  58.61 17.93 60 top
D1924  LED  [LED_0201_0603Metric_XINGLIGHT]  57.21 17.93 60 top
D1925  LED  [LED_0201_0603Metric_XINGLIGHT]  55.81 17.93 60 top
D1926  LED  [LED_0201_0603Metric_XINGLIGHT]  54.41 17.93 60 top
D1927  LED  [LED_0201_0603Metric_XINGLIGHT]  53.01 17.93 60 top
D1928  LED  [LED_0201_0603Metric_XINGLIGHT]  51.61 17.93 60 top
D1929  LED  [LED_0201_0603Metric_XINGLIGHT]  50.21 17.93 60 top
D1930  LED  [LED_0201_0603Metric_XINGLIGHT]  48.81 17.93 60 top
D1931  LED  [LED_0201_0603Metric_XINGLIGHT]  47.41 17.93 60 top
D1932  LED  [LED_0201_0603Metric_XINGLIGHT]  46.01 17.93 60 top
D1933  LED  [LED_0201_0603Metric_XINGLIGHT]  44.61 17.93 60 top
D1934  LED  [LED_0201_0603Metric_XINGLIGHT]  43.21 17.93 60 top
D1935  LED  [LED_0201_0603Metric_XINGLIGHT]  41.81 17.93 60 top
D1936  LED  [LED_0201_0603Metric_XINGLIGHT]  40.41 17.93 60 top
D1937  LED  [LED_0201_0603Metric_XINGLIGHT]  39.01 17.93 60 top
D1938  LED  [LED_0201_0603Metric_XINGLIGHT]  37.61 17.93 60 top
D1939  LED  [LED_0201_0603Metric_XINGLIGHT]  36.21 17.93 60 top
D1940  LED  [LED_0201_0603Metric_XINGLIGHT]  34.81 17.93 60 top
D1941  LED  [LED_0201_0603Metric_XINGLIGHT]  33.41 17.93 60 top
D1942  LED  [LED_0201_0603Metric_XINGLIGHT]  32.01 17.93 60 top
D1943  LED  [LED_0201_0603Metric_XINGLIGHT]  30.61 17.93 60 top
D1944  LED  [LED_0201_0603Metric_XINGLIGHT]  29.21 17.93 60 top
D1945  LED  [LED_0201_0603Metric_XINGLIGHT]  27.81 17.93 60 top
D1946  LED  [LED_0201_0603Metric_XINGLIGHT]  26.41 17.93 60 top
D1947  LED  [LED_0201_0603Metric_XINGLIGHT]  25.01 17.93 60 top
D1948  LED  [LED_0201_0603Metric_XINGLIGHT]  23.61 17.93 60 top
D1949  LED  [LED_0201_0603Metric_XINGLIGHT]  22.21 17.93 60 top
D1950  LED  [LED_0201_0603Metric_XINGLIGHT]  20.81 17.93 60 top
D1951  LED  [LED_0201_0603Metric_XINGLIGHT]  19.41 17.93 60 top
D1952  LED  [LED_0201_0603Metric_XINGLIGHT]  18.01 17.93 60 top
D1953  LED  [LED_0201_0603Metric_XINGLIGHT]  16.61 17.93 60 top
D1954  LED  [LED_0201_0603Metric_XINGLIGHT]  15.21 17.93 60 top
D1955  LED  [LED_0201_0603Metric_XINGLIGHT]  13.81 17.93 60 top
D1956  LED  [LED_0201_0603Metric_XINGLIGHT]  77.51 19.14 60 top
D1957  LED  [LED_0201_0603Metric_XINGLIGHT]  76.11 19.14 60 top